# Altium PCB AX7021B.PcbDoc (part 4 of 6) (continued)
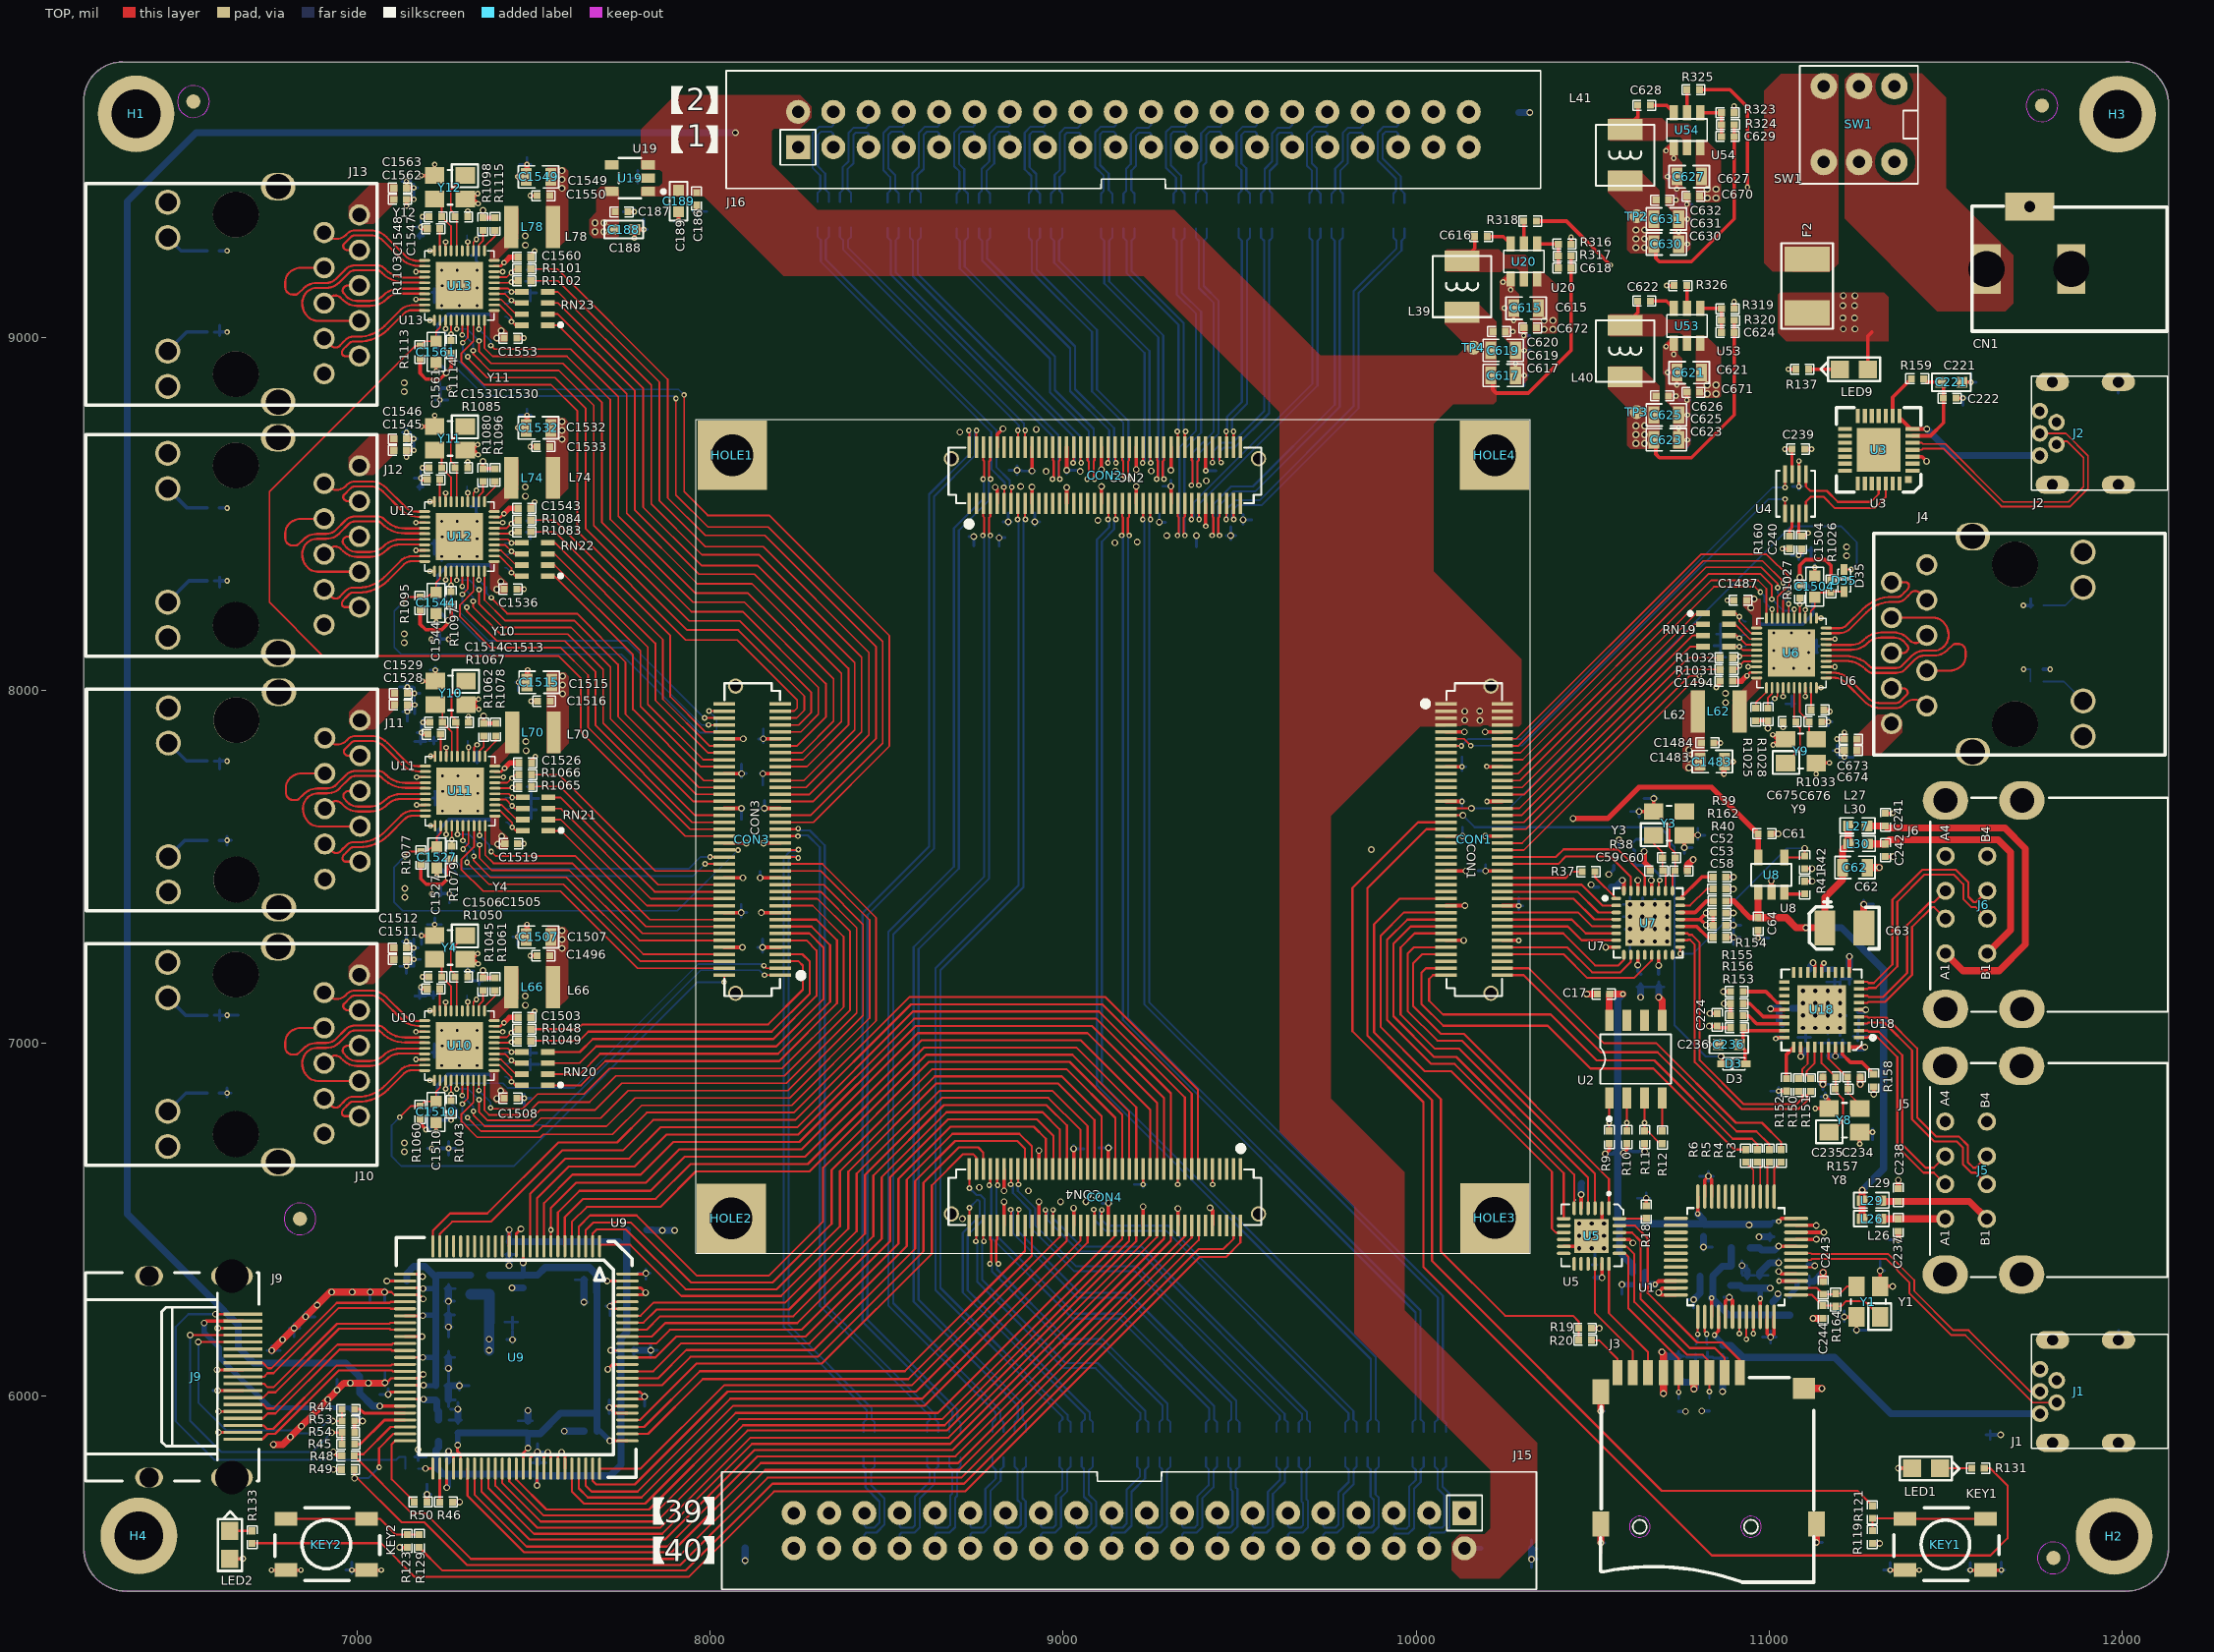
[diagram p0: TOP view]
## Nets (pads, with @x,y where several pads share a name; then routed paths per layer and width w, separated by ;. In a path a pad name is that pad's centre, name@x,y a point inside that pad or via, vN(x,y) a via of type N, cw(c..) or ccw(c..) an arc to the next point about the centre after c; other vN are vias at no path point) (continued)
N20060148: CON4.1
N20060159: CON4.3
N20060167: CON4.11
N20060427: CON2.24
N20060447: CON4.12
N20060632: CON4.5
N20060638: CON4.7
N20060678: CON2.80
N20060724: CON2.79
N20060735: CON3.79
N20060743: CON3.80
N20060756: CON2.3
N20060759: CON2.1
N20060813: CON2.21
N20060821: CON2.23
N20060829: CON2.27
N20060837: CON2.25
N20060845: CON2.33
N20060848: CON2.31
N20060851: CON2.37
N20060854: CON2.35
N20060925: CON2.22
N20060949: CON4.6
N20060952: CON4.8
N20060955: CON2.14
N20060963: CON2.12
N20061029: CON2.55
N20061032: CON2.57
N20065139: C244.2 R164.2 U1.1 Y1.1 | length 276
  TOP w5: C244.2@11152.33,6257.08 11186.73,6257.08 R164.2@11188.36,6255.45 11203.86,6255.45 11218.46,6270.05 11269.49,6270.05 Y1.1@11314.4,6225.14
  TOP w6: U1.1@11076.39,6287.58 11121.83,6287.58 C244.2@11152.33,6257.08
N20065143: C243.2 R164.1 U1.2 Y1.3 | length 187.6
  TOP w5: C243.2@11152.75,6289.62 11186.53,6289.62 R164.1@11188.36,6291.45 11201,6291.45 11221.31,6311.76 Y1.3@11247.48,6311.76
  TOP w6: U1.2@11076.39,6307.27 11135.1,6307.27 C243.2@11152.75,6289.62
N20065179: R3.2 U1.13 | length 105.4
  TOP w5: U1.13@11014.31,6566.2 11014.31,6643.29 R3.2@11034.35,6663.33
N20065181: R6.2 U1.16 | length 106.2
  TOP w5: R6.2@10933.31,6663.33 10955.25,6641.39 U1.16@10955.25,6566.2
N20065207: R5.2 U1.15 | length 100.6
  TOP w5: R5.2@10966.46,6663.33 10974.94,6654.85 U1.15@10974.94,6566.2
N20065314: R12.2 U2.4 | length 94
  TOP w6: U2.4@10697.04,6845.85 10697.04,6752.21 R12.2@10697.28,6751.97
N20065556: R4.2 U1.14 | length 99.5
  TOP w5: U1.14@10994.62,6566.2 10994.62,6657.56 R4.2@11000.39,6663.33
N20065715: C3.2 U1.38 | length 81.6
  TOP w6: U1.38@10817.46,6225.5 10817.46,6182.43 v1(10823.04,6176.85)
  BOTTOM w6: v1(10823.04,6176.85) 10823.04,6149.06 C3.2@10825.04,6147.06
N20065717: C4.2 U1.37 | length 81
  TOP w6: v1(10797.77,6176.12) U1.37@10797.77,6225.5
  BOTTOM w6: C4.2@10791.52,6147.06 10797.77,6153.31 v1(10797.77,6176.12)
N20065767: J1.3 U1.7 | length 871.1
  TOP w5: U1.7@11076.39,6405.69 11117.59,6405.69 11119.43,6403.85 11336.6,6403.85 11411.04,6329.41 11411.04,6298.73 11522.14,6187.63 11565.39,6187.63 11738.88,6014.14 J1.3@11767.3,6014.14
N20065769: J1.2 U1.6 | length 926.4
  TOP w5: U1.6@11076.39,6386.01 11117.59,6386.01 11121.43,6389.85 11330.8,6389.85 11397.04,6323.61 11397.04,6292.93 11516.34,6173.63 11555.81,6173.63 11746.8,5982.64 J1.2@11814.54,5982.64
N20065771: C5.1 R7.2 U1.34 | length 125.1
  TOP w10: v1(10677.04,6316.85) 10687.14,6326.95 U1.34@10735.69,6326.95
  BOTTOM w20: R7.2@10649.04,6351.07 C5.1@10649.04,6316.85 v1(10677.04,6316.85)
N20065803: R8.2 U1.5 | length 76.1
  TOP w6: U1.5@11076.39,6366.32 11125.51,6366.32 v2(11129.04,6369.85)
  BOTTOM w10: R8.2@11109.16,6375.01 11123.88,6375.01 v2(11129.04,6369.85)
N20114690: R39.2 U7.24 | length 118.6
  TOP w10: U7.24@10747.97,7410.23 10808.94,7471.2 R39.2@10841.28,7471.2
N20114742: R41.2 U8.3 | length 59.2
  TOP w10: U8.3@11043.58,7428.26 11048.52,7423.32 R41.2@11100.69,7423.32
N20114878: C60.2 R38.1 U7.25 Y3.3 | length 254.8
  TOP w5: C60.2@10733.04,7488.85 10733.86,7489.67 R38.1@10733.86,7525.66 10733.86,7539.86 10718.09,7555.63 10718.09,7620.39 10754.44,7656.74 Y3.3@10759.67,7656.74
  TOP w6: U7.25@10726.32,7431.88 10726.32,7482.13 C60.2@10733.04,7488.85
N20114880: C59.2 R38.2 U7.26 Y3.1 | length 171.8
  TOP w5: Y3.1@10673.05,7589.82 10673.05,7566.3 10697.86,7541.49 R38.2@10697.86,7525.66 10697.86,7490.03 C59.2@10699.04,7488.85
  TOP w6: C59.2@10699.04,7488.85 10706.63,7481.26 U7.26@10706.63,7431.88
N20115212: C58.2 U7.20 | length 106.1
  TOP w10: U7.20@10747.97,7331.49 10794.66,7331.49 10825.62,7300.53 C58.2@10841.28,7300.53
N20115232: C57.1 D2.2 R36.1 U7.27 | length 233.8
  TOP w6: U7.27@10686.95,7431.88 10686.95,7458.76 v1(10690.04,7461.85)
  BOTTOM w8: D2.2@10646.84,7577.98 10623.1,7577.98 10610.59,7565.47 R36.1@10610.59,7554.47 10619.76,7545.3 C57.1@10619.76,7504.05 10661.66,7504.05 10690.04,7475.67 v1(10690.04,7461.85)
N20115313: R37.2 U7.1 | length 101.2
  TOP w6: R37.2@10506.46,7486.42 10506.46,7470.64 U7.1@10566.87,7410.23
N20218751: C76.2 R43.1 U9.44 | length 148
  TOP w8: U9.44@7135.84,5992.35 v2(7188.19,5992.35)
  BOTTOM w20: v2(7188.19,5992.35) 7190.08,5990.46 C76.2@7222.8,5990.46 7225.8,5987.46 7225.8,5962.46 7230.66,5957.6 R43.1@7230.66,5933.46
N20218864: R51.1 U9.27 | length 72.3
  TOP w8: v2(7084.3,6326.99) U9.27@7135.84,6326.99
  BOTTOM w10: v2(7084.3,6326.99) 7084.89,6327.58 R51.1@7104.8,6327.58
N20218993: R45.1 U9.47 | length 171.2
  TOP w8: R45.1@6993.06,5864.59 7009.08,5864.59 7077.78,5933.29 U9.47@7135.84,5933.29
N20218995: R44.1 U9.46 | length 147.1
  TOP w8: R44.1@6993.06,5963.47 7008.86,5963.47 7019.35,5952.98 U9.46@7135.84,5952.98
N20218997: R47.1 U9.51 | length 42
  TOP w8: v2(7193.7,5795.85) 7214.23,5795.85 U9.51@7214.58,5795.5
  BOTTOM w6: R47.1@7172.8,5795.6 7193.45,5795.6 v2(7193.7,5795.85)
N20218999: R46.1 U9.52 | length 94.7
  TOP w8: R46.1@7234.22,5700.87 7234.27,5700.92 U9.52@7234.27,5795.5
N20219151: R50.1 U9.50 | length 231.8
  TOP w6: U9.50@7135.84,5874.24 7107.43,5874.24 7098.04,5864.85 7098.04,5765.33 R50.1@7162.13,5701.24
N20246377: KEY2.3 KEY2.4 R123.1 R129.1 | length 395.9
  TOP w6: KEY2.4@6798.69,5653.71 KEY2.3@7027.03,5653.71 7064.47,5653.71 7109.78,5608.4 R123.1@7142.08,5608.4 R129.1@7175.83,5608.4
N20246467: LED2.2 R133.2 | length 63.5
  TOP w6: LED2.2@6639.37,5619.12 6639.64,5619.39 R133.2@6702.8,5619.39
N20257827: LED1.2 R131.2 | length 89.7
  TOP w6: LED1.2@11484.01,5796.58 11484.09,5796.66 R131.2@11573.69,5796.66
N20257996: KEY1.3 KEY1.4 R119.1 R121.1 | length 356
  TOP w6: R119.1@11292.62,5619.44 R121.1@11292.62,5654.32 11384.55,5654.32 KEY1.4@11385.16,5653.71 KEY1.3@11613.5,5653.71
N20328280: J2.1 U3.7 U3.8 | length 446.5
  TOP w10: U3.8@11369.49,8777.11 11369.49,8772.4 11401.39,8740.5 U3.7@11406.1,8740.5 v2(11446.69,8740.5)
  BOTTOM w20: v2(11446.69,8740.5) 11522.2,8664.99 J2.1@11766.8,8664.99
N20328299: J2.2 U3.5 | length 752.8
  TOP w5: U3.5@11406.1,8701.13 11432.48,8701.13 11435.73,8697.88 11499.12,8697.88 11663.12,8533.88 11847.17,8533.88 11890.42,8577.13 11890.42,8659.5 11844.69,8705.23 11822.79,8705.23 J2.2@11814.04,8696.48
N20328339: J2.3 U3.4 | length 843.6
  TOP w5: U3.4@11406.1,8681.44 11432.49,8681.44 11435.93,8684.88 11493.73,8684.88 11657.73,8520.88 11852.56,8520.88 11903.42,8571.74 11903.42,8664.89 11840.33,8727.98 J2.3@11766.8,8727.98
N20328351: R159.1 U3.9 | length 127.2
  TOP w10: U3.9@11349.8,8777.11 11349.8,8829.83 R159.1@11402.44,8882.47
N20328357: C221.1 C222.1 R159.2 U3.6 | length 272.8
  TOP w10: U3.6@11406.1,8720.81 11457,8720.81 11493.62,8757.43 C222.1@11493.62,8827.76 11493.62,8865.27 C221.1@11486.04,8872.85 11448.06,8872.85 R159.2@11438.44,8882.47
N20328387: U3.26 U4.8 | length 329.8
  TOP w6: U4.8@11104.22,8501.24 11104.22,8534.32 11118.03,8548.13 11154.18,8548.13 11186.46,8515.85 11299.04,8515.85 11330.12,8546.93 U3.26@11330.12,8585.77
N20328389: U3.25 U4.1 | length 298.2
  TOP w6: U4.1@11104.22,8612.46 11104.22,8577.18 11116.39,8565.01 11163.58,8565.01 11194.74,8533.85 11288.04,8533.85 11310.43,8556.24 U3.25@11310.43,8585.77
N20365659: C236.1 D3.2 R153.1 U18.26 | length 232.5
  TOP w10: D3.2@10931.38,6942.28 10931.38,6981.41 C236.1@10915.56,6997.23 10926.56,7008.23 R153.1@10926.56,7044.25 10934.52,7036.29 U18.26@11042.73,7036.29
N20365863: R152.2 U18.28 | length 97.4
  TOP w10: R152.2@11049.05,6900.75 11049.05,6968.79 U18.28@11069.8,6989.54
N20365866: R154.2 U18.22 | length 129.3
  TOP w10: R154.2@10926.56,7146.81 10990.6,7146.81 11022.37,7115.04 U18.22@11042.73,7115.04
N20365873: R155.2 U18.24 | length 131.5
  TOP w10: R155.2@10926.56,7112.7 10945.93,7112.7 10982.97,7075.66 U18.24@11042.73,7075.66
N20365876: R156.2 U18.25 | length 125.4
  TOP w10: R156.2@10926.56,7078.22 10942.34,7078.22 10964.58,7055.98 U18.25@11042.73,7055.98
N20366975: C230.1 C231.1 U18.34 | length 66.9
  TOP w10: v2(11187.91,6963.76) U18.34@11187.91,6989.54
  BOTTOM w15: C231.1@11168.16,6965.2 11186.47,6965.2 v2(11187.91,6963.76) 11189.35,6965.2 C230.1@11208.04,6965.2
N20366989: C232.1 C233.1 U18.14 | length 80.9
  TOP w10: U18.14@11148.54,7201.16 11148.54,7220.86 v1(11154.92,7227.24)
  BOTTOM w15: v1(11154.92,7227.24) 11152.16,7224.48 C232.1@11152.16,7209.63 11152.32,7209.79 C233.1@11185.56,7209.79
N20367850: C234.2 R157.1 U18.33 Y8.3 | length 211.5
  TOP w5: C234.2@11222.04,6904.85 11223.12,6903.77 R157.1@11223.12,6870.92 11223.12,6859.98 11256.29,6826.81 Y8.3@11256.29,6815.65
  TOP w6: U18.33@11168.23,6989.54 11168.23,6956.66 11220.04,6904.85 C234.2@11222.04,6904.85
N20367872: C235.2 R157.2 U18.32 Y8.1 | length 287.7
  TOP w5: Y8.1@11169.67,6748.73 11177.62,6748.73 11209.19,6780.3 11209.19,6843.01 11187.12,6865.08 R157.2@11187.12,6870.92 11188.04,6871.84 C235.2@11188.04,6904.85
  TOP w6: U18.32@11148.54,6989.54 11148.54,6944.35 C235.2@11188.04,6904.85
N20369652: R158.2 U18.35 | length 132.6
  TOP w10: U18.35@11207.6,6989.54 11207.6,6969.01 11230.37,6946.24 11263.32,6946.24 R158.2@11296.49,6913.07
N20375664: R163.1 U18.27 | length 44.7
  TOP w10: v1(11018.84,7013.59) 11021.86,7016.61 U18.27@11042.73,7016.61
  BOTTOM w15: v1(11018.84,7013.59) 11021,7015.75 R163.1@11037.5,7015.75
N20563050: R318.2 U20.5 | length 65
  TOP w10: R318.2@10304.91,9329.11 10304.91,9264.33 U20.5@10305.07,9264.17
N20563056: C616.1 U20.6 | length 74.7
  TOP w10: C616.1@10201.71,9285.23 10246.61,9285.23 U20.6@10267.67,9264.17
N20563058: C616.2 L39.1 U20.2 | length 83.5
  TOP w10: L39.1@10130.13,9216.47 10165.71,9252.05 C616.2@10165.71,9285.23
N20563082: C618.1 R316.1 R317.2 U20.4 | length 127.8
  TOP w10: U20.4@10342.47,9264.17 10402.43,9264.17 R316.1@10402.75,9263.85 R317.2@10402.75,9230.1 C618.1@10402.75,9196.45
N20564763: R325.2 U54.5 | length 65
  TOP w10: R325.2@10766.95,9701.32 10766.95,9636.54 U54.5@10767.11,9636.38
N20564775: C628.1 U54.6 | length 74.7
  TOP w10: C628.1@10663.75,9657.44 10708.65,9657.44 U54.6@10729.71,9636.38
N20564779: C628.2 L41.1 U54.2 | length 83.5
  TOP w10: L41.1@10592.17,9588.68 10627.75,9624.26 C628.2@10627.75,9657.44
N20564823: C629.1 R323.1 R324.2 U54.4 | length 127.8
  TOP w10: U54.4@10804.51,9636.38 10864.47,9636.38 R323.1@10864.79,9636.06 R324.2@10864.79,9602.31 C629.1@10864.79,9568.66
N20565792: R326.2 U53.5 | length 65
  TOP w10: R326.2@10766.95,9146.57 10766.95,9081.79 U53.5@10767.11,9081.63
N20565796: C622.1 U53.6 | length 74.7
  TOP w10: C622.1@10663.75,9102.69 10708.65,9102.69 U53.6@10729.71,9081.63
N20565808: C622.2 L40.1 U53.2 | length 83.5
  TOP w10: L40.1@10592.17,9033.93 10627.75,9069.51 C622.2@10627.75,9102.69
N20565842: C624.1 R319.1 R320.2 U53.4 | length 127.8
  TOP w10: U53.4@10804.51,9081.63 10864.47,9081.63 R319.1@10864.79,9081.31 R320.2@10864.79,9047.56 C624.1@10864.79,9013.91
N20568243: C673.1 C674.1 J4.P1
N20568336: C1504.1 D35.2 R1026.1 U6.12 | length 153.8
  TOP w5: U6.12@11118.25,8204.39 11118.25,8224.94 11129.13,8235.82 C1504.1@11129.13,8263.82 11142.25,8276.94 R1026.1@11174.64,8276.94 11177.19,8279.49 D35.2@11212.48,8279.49
N20568727: C675.1 U6.36 Y9.1 | length 237
  TOP w5: Y9.1@11046.65,7794.47 11087.66,7835.48 11087.66,7892.02 11075.68,7904 C675.1@11075.68,7911.24 11071.01,7915.91 U6.36@11071.01,8007.54
N20568740: C676.1 U6.37 Y9.3 | length 165.4
  TOP w5: U6.37@11086.76,8007.54 11086.76,7937.85 C676.1@11113.37,7911.24 11113.37,7881.29 Y9.3@11133.27,7861.39
N20569120: J4.13 R1034.1 | length 134.1
  BOTTOM w5: R1034.1@11776.54,8240.59 11838.38,8240.59 J4.13@11889.46,8291.67
N20569150: J4.12 R1035.1 | length 135.7
  BOTTOM w5: R1035.1@11776.54,8024.96 11834.52,8024.96 J4.12@11889.46,7970.02
N20571427: C1505.1 U10.36 Y4.1 | length 237
  TOP w5: U10.36@7282.08,7092.15 7282.08,7183.78 C1505.1@7277.41,7188.45 7277.41,7195.69 7265.43,7207.67 7265.43,7264.21 Y4.1@7306.44,7305.22
N20571435: C1506.1 U10.37 Y4.3 | length 165.4
  TOP w5: Y4.3@7219.82,7238.3 7239.72,7218.4 C1506.1@7239.72,7188.45 7266.33,7161.84 U10.37@7266.33,7092.15
N20571809: J10.13 R1051.1 | length 132.2
  BOTTOM w10: J10.13@6463.63,6808.02 6514.96,6859.35 R1051.1@6574.55,6859.35
N20572137: C1511.1 C1512.1 J10.P1
N20573187: J10.12 R1052.1 | length 131.6
  BOTTOM w10: J10.12@6463.63,7129.67 6513.61,7079.69 R1052.1@6574.55,7079.69
N20576849: C1513.1 U11.36 Y10.1 | length 237
  TOP w5: U11.36@7284.07,7813.16 7284.07,7904.79 C1513.1@7279.4,7909.46 7279.4,7916.7 7267.42,7928.68 7267.42,7985.22 Y10.1@7308.43,8026.23
N20576857: C1514.1 U11.37 Y10.3 | length 165.4
  TOP w5: Y10.3@7221.81,7959.31 7241.71,7939.41 C1514.1@7241.71,7909.46 7268.32,7882.85 U11.37@7268.32,7813.16
N20577227: J11.13 R1068.1 | length 128
  BOTTOM w10: J11.13@6465.62,7529.03 6511.73,7575.14 R1068.1@6574.55,7575.14
N20577515: C1528.1 C1529.1 J11.P1
N20577644: J11.12 R1069.1 | length 130
  BOTTOM w10: J11.12@6465.62,7850.68 6516.5,7799.8 R1069.1@6574.55,7799.8
N20580897: C1530.1 U12.36 Y11.1 | length 237
  TOP w5: U12.36@7282.07,8534.16 7282.07,8625.79 C1530.1@7277.4,8630.46 7277.4,8637.7 7265.42,8649.68 7265.42,8706.22 Y11.1@7306.43,8747.23
N20580905: C1531.1 U12.37 Y11.3 | length 165.4
  TOP w5: Y11.3@7219.81,8680.31 7239.71,8660.41 C1531.1@7239.71,8630.46 7266.32,8603.85 U12.37@7266.32,8534.16
N20581275: J12.13 R1086.1 | length 135.9
  BOTTOM w10: J12.13@6463.62,8250.03 6523.82,8310.23 R1086.1@6574.55,8310.23
N20581593: C1545.1 C1546.1 J12.P1
N20581722: J12.12 R1087.1 | length 133.8
  BOTTOM w10: J12.12@6463.62,8571.68 6518.85,8516.45 R1087.1@6574.55,8516.45
N20585514: C1547.1 U13.36 Y12.1 | length 237
  TOP w5: U13.36@7282.07,9245.16 7282.07,9336.79 C1547.1@7277.4,9341.46 7277.4,9348.7 7265.42,9360.68 7265.42,9417.22 Y12.1@7306.43,9458.23
N20585516: C1548.1 U13.37 Y12.3 | length 165.4
  TOP w5: Y12.3@7219.81,9391.31 7239.71,9371.41 C1548.1@7239.71,9341.46 7266.32,9314.85 U13.37@7266.32,9245.16
N20585908: J13.13 R1104.1 | length 133.3
  BOTTOM w10: J13.13@6463.62,8961.03 6517.61,9015.02 R1104.1@6574.55,9015.02
N20586206: C1562.1 C1563.1 J13.P1
N20586345: J13.12 R1105.1 | length 126.6
  BOTTOM w10: J13.12@6463.62,9282.68 6501.34,9244.96 R1105.1@6574.55,9244.96
N203282594: R160.2 U4.6 | length 67
  TOP w8: R160.2@11057.39,8437.3 11057.39,8453.16 11064.85,8460.62 U4.6@11064.85,8501.24
OTG_CLK: CON1.52 R37.1 | length 233.6
  TOP w6: CON1.52@10244.12,7468.95 10424.19,7468.95 10441.66,7486.42 R37.1@10470.46,7486.42
OTG_D_N: R150.1 U7.19 | length 772.6
  TOP w6: U7.19@10747.97,7311.8 10768.67,7311.8 10773.01,7307.46 10781.43,7307.46 10803.3,7285.59 10803.3,6952.51 10927.77,6828.04 11077.74,6828.04 11094.29,6844.59 11094.29,6853.09 R150.1@11083.4,6863.98
OTG_D_P: R151.1 U7.18 | length 793.8
  TOP w6: U7.18@10747.97,7292.12 10768.67,7292.12 10770.01,7293.46 10775.63,7293.46 10789.3,7279.79 10789.3,6946.71 10921.97,6814.04 11083.54,6814.04 11108.29,6838.79 11108.29,6854.92 R151.1@11117.35,6863.98
OTG_DATA0: CON1.56 U7.3 | length 347.1
  TOP w6: CON1.56@10244.12,7429.58 10457.31,7429.58 10516.03,7370.86 U7.3@10566.87,7370.86
OTG_DATA1: CON1.58 U7.4 | length 347.1
  TOP w6: CON1.58@10244.12,7409.9 10446.12,7409.9 10504.85,7351.17 U7.4@10566.87,7351.17
OTG_DATA2: CON1.62 U7.5 | length 338.9
  TOP w6: CON1.62@10244.12,7370.53 10459.36,7370.53 10498.4,7331.49 U7.5@10566.87,7331.49
OTG_DATA3: CON1.64 U7.6 | length 338.9
  TOP w6: CON1.64@10244.12,7350.84 10441.18,7350.84 10480.22,7311.8 U7.6@10566.87,7311.8
OTG_DATA4: CON1.66 U7.7 | length 338.9
  TOP w6: CON1.66@10244.12,7331.16 10429.86,7331.16 10468.9,7292.12 U7.7@10566.87,7292.12
OTG_DATA5: CON1.68 U7.9 | length 402.8
  TOP w6: CON1.68@10244.12,7311.47 10416.55,7311.47 10507.17,7220.85 10573.03,7220.85 10588.52,7236.34 U7.9@10588.52,7250.78
OTG_DATA6: CON1.72 U7.10 | length 425.6
  TOP w6: CON1.72@10244.12,7272.1 10427.92,7272.1 10498.7,7201.32 10578.7,7201.32 10608.21,7230.83 U7.10@10608.21,7250.78
OTG_DATA7: CON1.74 U7.13 | length 487.3
  TOP w6: CON1.74@10244.12,7252.42 10417.6,7252.42 10484.7,7185.32 10617.51,7185.32 10667.26,7235.07 U7.13@10667.26,7250.78
OTG_DIR: CON1.48 U7.31 | length 436.4
  TOP w6: CON1.48@10244.12,7508.32 10402.7,7508.32 10423.78,7529.4 10550.29,7529.4 10608.21,7471.48 U7.31@10608.21,7431.88
OTG_ID: R162.1 U7.23 | length 112.7
  TOP w6: U7.23@10747.97,7390.54 10775.96,7390.54 10822.74,7437.32 R162.1@10841.28,7437.32
OTG_NXT: CON1.54 U7.2 | length 347.1
  TOP w6: CON1.54@10244.12,7449.27 10468.75,7449.27 10527.48,7390.54 U7.2@10566.87,7390.54
OTG_RESET: CON1.33 D2.1 D3.1 | length 1389.3
  TOP w5: v2(10863.76,6962.88) 10868.38,6958.26 D3.1@10868.38,6942.28
  TOP w6: CON1.33@10084.68,7646.12 v2(10132.34,7646.12)
  BOTTOM w6: v2(10132.34,7646.12) 10166.32,7612.14 10691,7612.14 10709.84,7593.3 D2.1@10709.84,7577.98 10731.97,7555.85 10731.97,7051.04 10820.13,6962.88 v2(10863.76,6962.88)
OTG_STP: CON1.46 U7.29 | length 485.3
  TOP w6: CON1.46@10244.12,7528.01 10396.23,7528.01 10417.89,7549.67 10570.9,7549.67 10647.58,7472.99 U7.29@10647.58,7431.88
PHY1_ADVDDL: C1485.1 C1486.1 C1488.1 L64.2 U6.3 U6.8 U6.38 | length 74.4
  TOP w7.48: v1(11102.51,7982.76) U6.38@11102.5,8007.54 ; U6.3@11161.56,8066.59 v1(11186.34,8066.6) ; U6.8@11161.56,8145.33 v1(11186.34,8145.34)
PHY1_AVDD33: C1490.1 C1491.1 L63.2 U6.11 U6.40 | length 25.8
  TOP w7.5: U6.40@11134,8007.54 v1(11146.9,8007.54) ; U6.11@11134,8204.39 v1(11146.9,8204.39)
PHY1_DVDDL: C1483.1 C1484.1 C1487.1 L62.2 L64.1 U6.21
  other v3: 10772.69,7780.73 10772.69,7805.73 10772.69,7830.73 10948.18,8233.92 10957.08,8259.14
PHY1_ENB_LDO: R1028.1 U6.32 | length 62.4
  TOP w5: R1028.1@10996.53,7949.9 10996.53,7979.88 11008.02,7991.37 U6.32@11008.02,8007.54
PHY1_ETH_RXD2: RN19.7 U6.23 | length 96
  TOP w5: RN19.7@10885.96,8186.94 10903.26,8186.94 10944.87,8145.33 U6.23@10964.71,8145.33
PHY1_INT_N: R1025.2 U6.31 | length 70
  TOP w5: R1025.2@10962.4,7949.9 10962.4,7965.43 10992.27,7995.3 U6.31@10992.27,8007.54
PHY1_IODVDD: C1492.1 C1493.1 L65.2 R1026.2 R1027.2 R1038.2 R1039.2 R1040.2 U6.28 | length 511.2
  TOP w5: v1(10940.6,8066.59) U6.28@10964.71,8066.59
  TOP w10: R1027.2@11086.72,8297.96 v3(11086.72,8319.47) 11086.72,8354.16 11102.77,8370.21 11158.89,8370.21 11174.64,8354.46 R1026.2@11174.64,8312.94
  BOTTOM w10: R1040.2@10969.74,8194.4 10977.22,8186.92 11095.11,8186.92 11123.82,8215.63 11123.82,8282.37 v3(11086.72,8319.47)
PHY1_LED1: J4.14 R1030.1 U6.33 | length 1110.1
  TOP w5: v1(11016.14,7976.73) 11023.76,7984.35 U6.33@11023.76,8007.54
  SVCC w5: v1(11016.14,7976.73) 11016.14,7992.23 11064.07,8040.16 11129.44,8040.16 11241.47,8152.19 11369.22,8152.19 11421.4,8204.37 11532.52,8204.37 11591.45,8263.3 11761.09,8263.3 J4.14@11889.46,8391.67
  BOTTOM w5: R1030.1@11007.33,7958.51 11007.33,7967.92 v1(11016.14,7976.73)
PHY1_LED2: R1029.1 R1035.2 U6.34 | length 847.4
  TOP w5: v1(11039.51,7982.48) U6.34@11039.51,8007.54
  SVCC w5: v1(11039.51,7982.48) 11059.99,8002.96 11112.91,8002.96 11128.85,7987.02 11162.9,7987.02 11231.02,8055.14 11374.61,8055.14 11429.16,8109.69 11670.96,8109.69 v1(11720.98,8059.67)
  BOTTOM w5: v1(11720.98,8059.67) R1029.1@11740.54,8059.67 R1035.2@11740.54,8024.96
PHY1_MDC: CON1.42 U6.13 | length 1180.5
  TOP w5: CON1.42@10244.12,7567.38 10300.36,7567.38 10774.03,8041.05 v1(10802.17,8041.05) ; U6.13@11102.5,8204.39 v1(11102.5,8228.68)
  SVCC w5: v1(10802.17,8041.05) 10802.17,8061.09 10910.67,8169.59 10939.66,8169.59 10955.45,8185.38 11080.06,8185.38 11102.5,8207.82 v1(11102.5,8228.68)
PHY1_MDI0_N: J4.P3 U6.2 | length 327.9
  TOP w6: U6.2@11161.56,8050.85 11162.39,8050.02 11181.25,8050.02 cw(c11181.25,7984.81) 11227.36,8030.92 11279.45,7978.83 ccw(c11315.71,8015.09) 11315.71,7963.81 11358.45,7963.81 ccw(c11358.45,7982.42) 11371.61,7969.26 11389.93,7987.58 ccw(c11383.89,7993.62) 11392.43,7993.62 ; J4.P3@11346.55,8005.84 11379.76,8005.84 cw(c11379.75,7992.83) 11388.95,8002.03 cw(c11380.57,7993.64) 11392.43,7993.64
PHY1_MDI0_P: J4.P2 U6.1 | length 328.8
  TOP w6: U6.1@11161.56,8035.1 11162.48,8036.02 11181.25,8036.02 cw(c11181.25,7984.81) 11217.46,8021.02 11269.55,7968.93 ccw(c11315.71,8015.09) 11315.7,7949.81 11358.45,7949.81 ccw(c11358.45,7982.43) 11381.51,7959.36 11384.61,7962.46 cw(c11412.27,7934.8) 11439.93,7962.46 J4.P2@11446.55,7955.84
PHY1_MDI1_N: J4.P7 U6.5 | length 591
  TOP w6: U6.5@11161.56,8098.09 11162.42,8097.23 11217.55,8097.23 cw(c11217.55,8005.32) 11282.54,8070.31 11286.2,8066.65 ccw(c11294.55,8075) 11294.55,8063.19 11359.6,8063.19 ccw(c11359.61,8086.9) 11376.37,8070.13 11403.73,8097.5 cw(c11439.94,8061.29) 11439.94,8112.5 11466.89,8112.5 ccw(c11466.9,8152.89) 11494.56,8123.46 ccw(c11466.77,8152.78) 11495.44,8124.34 ccw(c11464.3,8155.48) 11508.35,8155.48 11508.35,8155.92 ccw(c11453.68,8155.92) 11492.34,8194.57 ccw(c11465.13,8167.36) 11465.13,8205.84 J4.P7@11346.55,8205.84
PHY1_MDI1_P: J4.P4 U6.4 | length 591.2
  TOP w6: U6.4@11161.56,8082.34 11162.45,8083.23 11217.55,8083.23 cw(c11217.55,8005.32) 11272.64,8060.41 11276.3,8056.75 ccw(c11294.55,8075) 11294.54,8049.19 11359.6,8049.19 ccw(c11359.61,8086.9) 11386.27,8060.23 11413.63,8087.6 cw(c11439.94,8061.29) 11439.94,8098.5 11466.9,8098.5 ccw(c11466.9,8152.89) 11504.15,8113.26 11520.83,8128.94 cw(c11527.16,8122.61) 11527.16,8131.56 11535.32,8131.56 cw(c11535.32,8110.34) 11550.32,8125.35 11550.89,8124.78 cw(c11537.32,8111.21) 11556.51,8111.21 11556.51,8096.05 cw(c11519.84,8096.05) 11545.77,8070.12 cw(c11511.3,8104.59) 11511.3,8055.84 J4.P4@11446.55,8055.84
PHY1_MDI2_N: J4.P6 U6.7 | length 311.4
  TOP w6: U6.7@11161.56,8129.59 11162.41,8128.74 11232.58,8128.74 ccw(c11232.58,8179.82) 11268.7,8143.7 cw(c11317.1,8095.3) 11317.1,8163.75 11353.35,8163.75 cw(c11353.35,8108.13) 11392.68,8147.46 11398.97,8141.17 ccw(c11415.42,8157.63) J4.P6@11431.87,8141.18 ; J4.P6@11431.88,8141.17 J4.P6@11446.55,8155.84
PHY1_MDI2_P: J4.P5 U6.6 | length 310.8
  TOP w6: U6.6@11161.56,8113.84 11162.46,8114.74 11232.58,8114.74 ccw(c11232.58,8179.82) 11278.6,8133.8 cw(c11317.1,8095.3) 11317.1,8149.75 11353.35,8149.75 cw(c11353.35,8108.13) 11382.78,8137.56 11391.29,8127.38 cw(c11382.21,8119.78) 11390.58,8111.41 11389.21,8110.05 cw(c11379.06,8120.18) 11379.06,8105.84 J4.P5@11346.55,8105.84
PHY1_MDI3_N: J4.P9 U6.10 | length 336.1
  TOP w6: U6.10@11161.56,8176.83 11162.38,8176.01 11198.74,8176.01 ccw(c11198.74,8206.12) 11220.03,8184.83 11265.72,8230.52 cw(c11348.6,8147.64) 11348.6,8264.85 11364.79,8264.85 ccw(c11364.78,8279.58) 11375.19,8269.16 11383.5,8277.47 11391.98,8286.28 ccw(c11381.02,8296.83) 11396.23,8296.83 ccw(c11387.25,8296.86) 11387.25,8305.84 J4.P9@11346.55,8305.84
PHY1_MDI3_P: J4.P8 U6.9 | length 336.7
  TOP w6: U6.9@11161.56,8161.08 11162.49,8162.01 11198.74,8162.01 ccw(c11198.74,8206.12) 11229.93,8174.93 11275.62,8220.62 cw(c11348.6,8147.64) 11348.59,8250.85 11364.8,8250.85 ccw(c11364.79,8279.58) 11385.09,8259.25 11393.32,8267.49 ; 11393.33,8267.49 ccw(c11379.32,8281.76) 11393.59,8267.75 11402.06,8276.54 cw(c11413.96,8265.08) 11425.64,8276.76 J4.P8@11446.55,8255.84
PHY1_MDIO: CON1.44 R1027.1 U6.14 | length 1285.9
  TOP w5: CON1.44@10244.12,7547.69 10305.19,7547.69 10780.67,8023.17 v1(10814.49,8023.17) ; R1027.1@11086.72,8261.96 11086.72,8243.9 v1(11086.76,8243.86) U6.14@11086.76,8204.39
  SVCC w5: v1(10814.49,8023.17) 10791.62,8023.17 10782.76,8032.03 10782.76,8066.68 10904.51,8188.43 10931.92,8188.43 10948.36,8204.87 11070.84,8204.87 11086.76,8220.79 v1(11086.76,8243.86)
PHY1_REGOUT: L62.1 U6.30
PHY1_RESET: CON1.31 D35.1 | length 1617.3
  TOP w5: D35.1@11212.48,8342.49 v1(11232.32,8342.49)
  TOP w6: CON1.31@10084.68,7665.8 v2(10156.66,7665.8)
  BOTTOM w5: v2(10156.66,7665.8) 10263.15,7665.8 11062.54,8465.19 11202.89,8465.19 11248.29,8419.79 11248.29,8358.46 v1(11232.32,8342.49)
PHY1_RSET: R1033.2 U6.39 | length 62.6
  TOP w6: U6.39@11118.25,8007.54 11118.51,8007.28 11118.51,7945.18 R1033.2@11118.63,7945.06
PHY1_RXC_ADR1: R1031.1 R1041.2 U6.27 | length 99.3
  TOP w5: R1031.1@10896.67,8059.3 10906.3,8059.3 v1(10916.5,8069.5) 10929.34,8082.34 U6.27@10964.71,8082.34
  BOTTOM w5: R1041.2@10898.21,8061.34 10908.34,8061.34 v1(10916.5,8069.5)
PHY1_RXCK: CON1.38 R1031.2 | length 804
  TOP w5: CON1.38@10244.12,7606.75 10311.05,7606.75 10763.6,8059.3 R1031.2@10860.67,8059.3
PHY1_RXCTL: CON1.36 R1032.2 | length 809.7
  TOP w5: CON1.36@10244.12,7626.43 10304.97,7626.43 10771.16,8092.62 R1032.2@10860.67,8092.62
PHY1_RXCTL_ADR2: R1032.1 R1042.2 U6.26 | length 88.4
  TOP w5: R1032.1@10896.67,8092.62 10912.16,8092.62 v1(10915.51,8095.97) 10917.63,8098.09 U6.26@10964.71,8098.09
  BOTTOM w5: R1042.2@10898.21,8093.98 10913.52,8093.98 v1(10915.51,8095.97)
PHY1_RXD0: CON1.34 RN19.4 | length 766.6
  TOP w5: CON1.34@10244.12,7646.12 10298.91,7646.12 10776.74,8123.95 RN19.4@10812.81,8123.95
PHY1_RXD0_RXDLY: R1036.2 R1039.1 RN19.5 U6.25 | length 120.3
  TOP w5: RN19.5@10885.96,8123.95 v1(10915.5,8123.95) 10925.61,8113.84 U6.25@10964.71,8113.84
  BOTTOM w5: R1036.2@10898.21,8126.62 10912.83,8126.62 v1(10915.5,8123.95) 10916.25,8124.7 R1039.1@10934.15,8124.7
PHY1_RXD1: CON1.32 RN19.3 | length 771.5
  TOP w5: CON1.32@10244.12,7665.8 10292.84,7665.8 10782.49,8155.45 RN19.3@10812.81,8155.45
PHY1_RXD1_TXDLY: R1037.2 R1038.1 RN19.6 U6.24 | length 134
  TOP w5: RN19.6@10885.96,8155.45 10908.31,8155.45 v1(10915.77,8147.99) 10934.17,8129.59 U6.24@10964.71,8129.59
  BOTTOM w5: R1037.2@10898.21,8159.26 10904.5,8159.26 v1(10915.77,8147.99) 10925.3,8157.52 R1038.1@10934.15,8157.52
PHY1_RXD2: CON1.28 RN19.2 | length 768.2
  TOP w5: CON1.28@10244.12,7705.17 10306.45,7705.17 10788.22,8186.94 RN19.2@10812.81,8186.94
PHY1_RXD3: CON1.26 RN19.1 | length 773.1
  TOP w5: CON1.26@10244.12,7724.86 10300.39,7724.86 10793.97,8218.44 RN19.1@10812.81,8218.44
PHY1_RXD3_ADR0: R1040.1 RN19.8 U6.22 | length 133.9
  TOP w5: RN19.8@10885.96,8218.44 10905.6,8218.44 v1(10915.64,8208.4) 10915.64,8195.55 10950.11,8161.08 U6.22@10964.71,8161.08
  BOTTOM w5: v1(10915.64,8208.4) 10929.64,8194.4 R1040.1@10933.74,8194.4
PHY1_TXCK: CON1.22 U6.20 | length 1068.4
  TOP w5: CON1.22@10244.12,7764.23 10288.25,7764.23 10835.77,8311.75 10968.46,8311.75 10992.27,8287.94 U6.20@10992.27,8204.39
PHY1_TXCTL: CON1.24 U6.19 | length 1052.2
  TOP w5: CON1.24@10244.12,7744.54 10294.32,7744.54 10843.14,8293.36 10960.22,8293.36 v1(10975.04,8278.54) ; U6.19@11008.02,8204.39 v1(11008.02,8229.38)
  BOTTOM w5: v1(10975.04,8278.54) 10986.97,8266.61 10986.97,8250.43 v1(11008.02,8229.38)
PHY1_TXD0: CON1.12 U6.18 | length 1187.4
  TOP w5: CON1.12@10244.12,7862.65 10283.65,7862.65 10806.31,8385.31 10992.97,8385.31 11057.98,8320.3 11057.98,8298.8 11023.76,8264.58 U6.18@11023.76,8204.39
PHY1_TXD1: CON1.14 U6.17 | length 1154.8
  TOP w5: CON1.14@10244.12,7842.97 10289.73,7842.97 10813.68,8366.92 10981.03,8366.92 11039.85,8308.1 11039.85,8304.78 v1(11039.89,8304.74) ; U6.17@11039.51,8204.39 11039.51,8257.72 v1(11056.51,8274.72)
  BOTTOM w5: v1(11039.89,8304.74) 11056.51,8288.12 v1(11056.51,8274.72)
PHY1_TXD2: CON1.16 U6.16 | length 1127.5
  TOP w5: CON1.16@10244.12,7823.28 10295.8,7823.28 10821.05,8348.53 10977.83,8348.53 11019.26,8307.1 11024.27,8302.1 v1(11024.27,8290.69) ; U6.16@11055.26,8204.39 v1(11055.26,8245.01)
  BOTTOM w5: v1(11024.27,8290.69) 11024.27,8276 v1(11055.26,8245.01)
PHY1_TXD3: CON1.18 U6.15 | length 1138.1
  TOP w5: CON1.18@10244.12,7803.6 10301.86,7803.6 10828.4,8330.14 10974.67,8330.14 11007.77,8297.04 v1(11007.77,8258.19) ; U6.15@11071.01,8204.39 v1(11071.01,8229.47)
  BOTTOM w5: v1(11007.77,8258.19) 11040.86,8225.1 11066.64,8225.1 v1(11071.01,8229.47)
PHY2_ADVDDL: C1495.1 C1497.1 C1509.1 L68.2 U10.3 U10.8 U10.38 | length 74.4
  TOP w7.48: v1(7166.75,6954.35) U10.8@7191.53,6954.36 ; v1(7166.75,7033.09) U10.3@7191.53,7033.1 ; U10.38@7250.59,7092.15 v1(7250.58,7116.93)
PHY2_AVDD33: C1499.1 C1500.1 L67.2 U10.11 U10.40 | length 25.8
  TOP w7.5: v1(7206.19,6895.3) U10.11@7219.09,6895.3 ; v1(7206.19,7092.15) U10.40@7219.09,7092.15
PHY2_DVDDL: C1496.1 C1507.1 C1508.1 L66.2 L68.1 U10.21
  other v3: 7396.19,6843.69 7407,6865.54 7580.4,7268.96 7580.4,7293.96 7580.4,7318.96
PHY2_ENB_LDO: R1045.1 U10.32 | length 62.4
  TOP w5: U10.32@7345.07,7092.15 7345.07,7108.32 7356.56,7119.81 R1045.1@7356.56,7149.79
PHY2_ETH_RXD2: RN20.7 U10.23 | length 96
  TOP w5: U10.23@7388.38,6954.36 7408.22,6954.36 7449.83,6912.75 RN20.7@7467.13,6912.75
PHY2_INT_N: R1061.2 U10.31 | length 70
  TOP w5: U10.31@7360.82,7092.15 7360.82,7104.39 7390.69,7134.26 R1061.2@7390.69,7149.79

## Text inside footprints (layer, text, board x,y; h text height)
U3: PIN_NUMBER "23" at 11251.06,8585.77 h25 r180; PIN_NUMBER "1" at 11396.1,8622.38 h25 r180; PIN_NUMBER "27" at 11329.8,8585.77 h25 r180; PIN_NUMBER "28" at 11349.49,8585.77 h25 r180; PIN_NUMBER "10" at 11310.12,8777.11 h25 r180; PIN_NUMBER "21" at 11194.76,8622.38 h25 r180; PIN_NUMBER "22" at 11231.37,8585.77 h25 r180; PIN_NUMBER "13" at 11251.06,8777.11 h25 r180; PIN_NUMBER "14" at 11231.37,8777.11 h25 r180; PIN_NUMBER "15" at 11194.76,8740.5 h25 r180; PIN_NUMBER "16" at 11194.76,8720.81 h25 r180; PIN_NUMBER "17" at 11194.76,8701.13 h25 r180; PIN_NUMBER "18" at 11194.76,8681.44 h25 r180; PIN_NUMBER "19" at 11194.76,8661.75 h25 r180; PIN_NUMBER "20" at 11194.76,8642.07 h25 r180; PIN_NUMBER "2" at 11396.1,8642.07 h25 r180; PIN_NUMBER "24" at 11270.74,8585.77 h25 r180; PIN_NUMBER "12" at 11270.74,8777.11 h25 r180; PIN_NUMBER "11" at 11290.43,8777.11 h25 r180; PIN_NUMBER "3" at 11396.1,8661.75 h25 r180; PIN_NUMBER "5" at 11396.1,8701.13 h25 r180; PIN_NUMBER "4" at 11396.1,8681.44 h25 r180; PIN_NUMBER "30" at 11374.43,8597.44 h25 r180; PIN_NUMBER "29" at 11290.43,8681.44 h25 r180; PIN_NUMBER "25" at 11290.43,8585.77 h25 r180; PIN_NUMBER "26" at 11310.12,8585.77 h25 r180; PIN_NUMBER "6" at 11396.1,8720.81 h25 r180; PIN_NUMBER "9" at 11339.8,8777.11 h25 r180; PIN_NUMBER "8" at 11359.49,8777.11 h25 r180; PIN_NUMBER "7" at 11396.1,8740.5 h25 r180
U4: PIN_NUMBER "2" at 11074.53,8612.46 h25 r180; PIN_NUMBER "3" at 11054.85,8612.46 h25 r180; PIN_NUMBER "7" at 11074.53,8501.24 h25 r180; PIN_NUMBER "5" at 11035.16,8501.24 h25 r180; PIN_NUMBER "4" at 11035.16,8612.46 h25 r180; PIN_NUMBER "1" at 11094.22,8612.46 h25 r180; PIN_NUMBER "8" at 11094.22,8501.24 h25 r180; PIN_NUMBER "6" at 11054.85,8501.24 h25 r180; DIMENSION "19.69" at 11209.69,8709.35 h25 r180; DIMENSION "0.5" at 11053.69,8709.35 h25 r180; DIMENSION "111.22" at 11026.69,8564.35 h25 r180; DIMENSION "2.82" at 10848.69,8564.35 h25 r180; DIMENSION "59.06" at 11194.69,8429.35 h25 r180; DIMENSION "1.5" at 11038.69,8429.35 h25 r180
U5: PIN_NUMBER "13" at 10427.66,6375.61 h25 r270; PIN_NUMBER "12" at 10398.13,6405.14 h25 r270; PIN_NUMBER "14" at 10447.34,6375.61 h25 r270; PIN_NUMBER "15" at 10467.03,6375.61 h25 r270; PIN_NUMBER "8" at 10408.13,6483.88 h25 r270; PIN_NUMBER "10" at 10398.13,6444.51 h25 r270; PIN_NUMBER "25" at 10476.87,6454.35 h25 r270; PIN_NUMBER "11" at 10398.13,6424.82 h25 r270; PIN_NUMBER "2" at 10516.4,6533.09 h25 r270; PIN_NUMBER "9" at 10408.13,6464.19 h25 r270; PIN_NUMBER "4" at 10477.03,6533.09 h25 r270; PIN_NUMBER "21" at 10555.61,6444.51 h25 r270; PIN_NUMBER "17" at 10506.4,6375.61 h25 r270; PIN_NUMBER "6" at 10437.66,6533.09 h25 r270; PIN_NUMBER "7" at 10408.13,6503.56 h25 r270; PIN_NUMBER "23" at 10555.61,6483.88 h25 r270; PIN_NUMBER "22" at 10555.61,6464.19 h25 r270; PIN_NUMBER "20" at 10555.61,6424.82 h25 r270; PIN_NUMBER "19" at 10555.61,6405.14 h25 r270; PIN_NUMBER "24" at 10555.61,6503.56 h25 r270; PIN_NUMBER "18" at 10526.08,6375.61 h25 r270; PIN_NUMBER "16" at 10486.71,6375.61 h25 r270; PIN_NUMBER "5" at 10457.34,6533.09 h25 r270; PIN_NUMBER "3" at 10496.71,6533.09 h25 r270; PIN_NUMBER "1" at 10536.08,6533.09 h25 r270
U6: PIN_NUMBER "41" at 11063.12,8105.96 h0.01 r180; PIN_NUMBER "10" at 11161.55,8176.83 h0.01 r270; PIN_NUMBER "9" at 11161.56,8161.08 h0.01 r270; PIN_NUMBER "7" at 11161.56,8129.59 h0.01 r270; PIN_NUMBER "6" at 11161.56,8113.84 h0.01 r270; PIN_NUMBER "5" at 11161.56,8098.09 h0.01 r270; PIN_NUMBER "4" at 11161.56,8082.34 h0.01 r270; PIN_NUMBER "2" at 11161.56,8050.85 h0.01 r270; PIN_NUMBER "1" at 11161.56,8035.1 h0.01 r270; PIN_NUMBER "20" at 10992.26,8204.39 h0.01 r180; PIN_NUMBER "13" at 11102.49,8204.39 h0.01 r180; PIN_NUMBER "14" at 11086.75,8204.39 h0.01 r180; PIN_NUMBER "29" at 10964.7,8050.85 h0.01 r270; PIN_NUMBER "18" at 11023.75,8204.39 h0.01 r180; PIN_NUMBER "17" at 11039.5,8204.39 h0.01 r180; PIN_NUMBER "16" at 11055.25,8204.39 h0.01 r180; PIN_NUMBER "15" at 11071,8204.39 h0.01 r180; PIN_NUMBER "19" at 11008.01,8204.39 h0.01 r180; PIN_NUMBER "35" at 11055.25,8007.54 h0.01 r180; PIN_NUMBER "33" at 11023.75,8007.54 h0.01 r180; PIN_NUMBER "27" at 10964.7,8082.34 h0.01 r270; PIN_NUMBER "34" at 11039.5,8007.54 h0.01 r180; PIN_NUMBER "32" at 11008.01,8007.54 h0.01 r180; PIN_NUMBER "12" at 11118.24,8204.39 h0.01 r180; PIN_NUMBER "11" at 11133.99,8204.39 h0.01 r180; PIN_NUMBER "40" at 11133.99,8007.54 h0.01 r180; PIN_NUMBER "36" at 11071,8007.54 h0.01 r180; PIN_NUMBER "28" at 10964.7,8066.59 h0.01 r270; PIN_NUMBER "25" at 10964.7,8113.84 h0.01 r270; PIN_NUMBER "31" at 10992.26,8007.54 h0.01 r180; PIN_NUMBER "37" at 11086.75,8007.54 h0.01 r180; PIN_NUMBER "24" at 10964.7,8129.59 h0.01 r270; PIN_NUMBER "26" at 10964.7,8098.09 h0.01 r270; PIN_NUMBER "30" at 10964.7,8035.1 h0.01 r270; PIN_NUMBER "22" at 10964.7,8161.08 h0.01 r270; PIN_NUMBER "3" at 11161.56,8066.59 h0.01 r270; PIN_NUMBER "8" at 11161.56,8145.33 h0.01 r270; PIN_NUMBER "38" at 11102.49,8007.54 h0.01 r180; PIN_NUMBER "21" at 10964.7,8176.83 h0.01 r270; PIN_NUMBER "39" at 11118.24,8007.54 h0.01 r180; PIN_NUMBER "23" at 10964.7,8145.33 h0.01 r270
U7: PIN_NUMBER "12" at 10627.58,7250.78 h25; PIN_NUMBER "16" at 10706.32,7250.78 h25; PIN_NUMBER "15" at 10686.63,7250.78 h25; PIN_NUMBER "33" at 10637.42,7341.33 h25; PIN_NUMBER "13" at 10647.26,7250.78 h25; PIN_NUMBER "5" at 10556.87,7331.49 h25; PIN_NUMBER "21" at 10727.97,7351.17 h25; PIN_NUMBER "4" at 10556.87,7351.17 h25; PIN_NUMBER "2" at 10556.87,7390.54 h25; PIN_NUMBER "10" at 10588.21,7250.78 h25; PIN_NUMBER "31" at 10588.21,7431.88 h25; PIN_NUMBER "6" at 10556.87,7311.8 h25; PIN_NUMBER "29" at 10627.58,7431.88 h25; PIN_NUMBER "18" at 10727.97,7292.12 h25; PIN_NUMBER "19" at 10727.97,7311.8 h25; PIN_NUMBER "25" at 10706.32,7431.88 h25; PIN_NUMBER "22" at 10727.97,7370.86 h25; PIN_NUMBER "20" at 10727.97,7331.49 h25; PIN_NUMBER "17" at 10727.97,7272.43 h25; PIN_NUMBER "23" at 10727.97,7390.54 h25; PIN_NUMBER "26" at 10686.63,7431.88 h25; PIN_NUMBER "24" at 10727.97,7410.23 h25; PIN_NUMBER "7" at 10556.87,7292.12 h25; PIN_NUMBER "1" at 10556.87,7410.23 h25; PIN_NUMBER "28" at 10647.26,7431.88 h25; PIN_NUMBER "32" at 10568.52,7431.88 h25; PIN_NUMBER "30" at 10607.89,7431.88 h25; PIN_NUMBER "11" at 10607.89,7250.78 h25; PIN_NUMBER "8" at 10556.87,7272.43 h25; PIN_NUMBER "14" at 10666.95,7250.78 h25; PIN_NUMBER "3" at 10556.87,7370.86 h25; PIN_NUMBER "9" at 10578.52,7250.78 h25; PIN_NUMBER "27" at 10666.95,7431.88 h25; DIMENSION "4.6" at 10416.05,7515.15 h25; DIMENSION "181.10" at 10240.05,7515.15 h25; DIMENSION "3.5" at 10991.68,7334.62 h25; DIMENSION "137.80" at 10815.68,7334.62 h25; DIMENSION "0.5" at 10478.78,7451.29 h25; DIMENSION "19.69" at 10324.78,7451.29 h25
U8: PIN_NUMBER "2" at 10996.18,7428.26 h25; PIN_NUMBER "4" at 11033.58,7526.68 h25; PIN_NUMBER "1" at 10958.78,7428.26 h25; PIN_NUMBER "5" at 10958.78,7526.68 h25; PIN_NUMBER "3" at 11033.58,7428.26 h25
U9: PIN_NUMBER "15" at 7391.43,6425.42 h25 r270; PIN_NUMBER "17" at 7352.06,6425.42 h25 r270; PIN_NUMBER "19" at 7312.69,6425.42 h25 r270; PIN_NUMBER "21" at 7273.32,6425.42 h25 r270; PIN_NUMBER "23" at 7233.95,6425.42 h25 r270; PIN_NUMBER "16" at 7371.75,6425.42 h25 r270; PIN_NUMBER "18" at 7332.38,6425.42 h25 r270; PIN_NUMBER "20" at 7293.01,6425.42 h25 r270; PIN_NUMBER "22" at 7253.64,6425.42 h25 r270; PIN_NUMBER "100" at 7735.76,6346.68 h25 r270; PIN_NUMBER "98" at 7745.76,6307.31 h25 r270; PIN_NUMBER "97" at 7745.76,6287.62 h25 r270; PIN_NUMBER "96" at 7745.76,6267.94 h25 r270; PIN_NUMBER "95" at 7745.76,6248.25 h25 r270; PIN_NUMBER "87" at 7745.76,6090.77 h25 r270; PIN_NUMBER "83" at 7745.76,6012.03 h25 r270; PIN_NUMBER "82" at 7745.76,5992.35 h25 r270; PIN_NUMBER "81" at 7745.76,5972.66 h25 r270; PIN_NUMBER "80" at 7745.76,5952.98 h25 r270; PIN_NUMBER "70" at 7568.6,5795.5 h25 r270; PIN_NUMBER "69" at 7548.91,5795.5 h25 r270; PIN_NUMBER "68" at 7529.23,5795.5 h25 r270; PIN_NUMBER "67" at 7509.54,5795.5 h25 r270; PIN_NUMBER "65" at 7470.17,5795.5 h25 r270; PIN_NUMBER "54" at 7253.64,5795.5 h25 r270; PIN_NUMBER "43" at 7115.84,6012.03 h25 r270; PIN_NUMBER "41" at 7115.84,6051.4 h25 r270; PIN_NUMBER "35" at 7115.84,6169.51 h25 r270; PIN_NUMBER "29" at 7115.84,6287.62 h25 r270; PIN_NUMBER "26" at 7115.84,6346.68 h25 r270; PIN_NUMBER "13" at 7430.8,6425.42 h25 r270; PIN_NUMBER "30" at 7115.84,6267.94 h25 r270; PIN_NUMBER "60" at 7371.75,5795.5 h25 r270; PIN_NUMBER "91" at 7745.76,6169.51 h25 r270; PIN_NUMBER "3" at 7637.65,6425.42 h25 r270; PIN_NUMBER "88" at 7745.76,6110.46 h25 r270; PIN_NUMBER "62" at 7411.12,5795.5 h25 r270; PIN_NUMBER "1" at 7677.02,6425.42 h25 r270; PIN_NUMBER "99" at 7745.76,6326.99 h25 r270; PIN_NUMBER "76" at 7745.76,5874.24 h25 r270; PIN_NUMBER "64" at 7450.48,5795.5 h25 r270; PIN_NUMBER "55" at 7273.32,5795.5 h25 r270; PIN_NUMBER "12" at 7450.49,6425.42 h25 r270; PIN_NUMBER "93" at 7745.76,6208.88 h25 r270; PIN_NUMBER "85" at 7745.76,6051.4 h25 r270; PIN_NUMBER "39" at 7115.84,6090.78 h25 r270; PIN_NUMBER "89" at 7745.76,6130.14 h25 r270; PIN_NUMBER "66" at 7489.86,5795.5 h25 r270; PIN_NUMBER "53" at 7233.95,5795.5 h25 r270; PIN_NUMBER "14" at 7411.12,6425.42 h25 r270; PIN_NUMBER "33" at 7115.84,6208.88 h25 r270; PIN_NUMBER "37" at 7115.84,6130.14 h25 r270; PIN_NUMBER "79" at 7745.76,5933.29 h25 r270; PIN_NUMBER "75" at 7667.02,5795.5 h25 r270; PIN_NUMBER "36" at 7115.84,6149.83 h25 r270; PIN_NUMBER "61" at 7391.43,5795.5 h25 r270; PIN_NUMBER "40" at 7115.84,6071.09 h25 r270; PIN_NUMBER "57" at 7312.69,5795.5 h25 r270; PIN_NUMBER "92" at 7745.76,6189.2 h25 r270; PIN_NUMBER "25" at 7194.58,6425.42 h25 r270; PIN_NUMBER "42" at 7115.84,6031.72 h25 r270; PIN_NUMBER "38" at 7115.84,6110.46 h25 r270; PIN_NUMBER "32" at 7115.84,6228.57 h25 r270; PIN_NUMBER "28" at 7115.84,6307.31 h25 r270; PIN_NUMBER "73" at 7627.65,5795.5 h25 r270; PIN_NUMBER "72" at 7607.97,5795.5 h25 r270; PIN_NUMBER "34" at 7115.84,6189.2 h25 r270; PIN_NUMBER "94" at 7745.76,6228.57 h25 r270; PIN_NUMBER "63" at 7430.8,5795.5 h25 r270; PIN_NUMBER "58" at 7332.38,5795.5 h25 r270; PIN_NUMBER "2" at 7657.34,6425.42 h25 r270; PIN_NUMBER "56" at 7293.01,5795.5 h25 r270; PIN_NUMBER "59" at 7352.06,5795.5 h25 r270; PIN_NUMBER "31" at 7115.84,6248.25 h25 r270; PIN_NUMBER "86" at 7745.76,6071.09 h25 r270; PIN_NUMBER "90" at 7745.76,6149.83 h25 r270; PIN_NUMBER "74" at 7647.34,5795.5 h25 r270; PIN_NUMBER "84" at 7745.76,6031.72 h25 r270; PIN_NUMBER "77" at 7745.76,5893.92 h25 r270; PIN_NUMBER "71" at 7588.28,5795.5 h25 r270; PIN_NUMBER "78" at 7745.76,5913.61 h25 r270; PIN_NUMBER "48" at 7115.84,5913.61 h25 r270; PIN_NUMBER "49" at 7115.84,5893.92 h25 r270; PIN_NUMBER "4" at 7617.97,6425.42 h25 r270; PIN_NUMBER "6" at 7578.6,6425.42 h25 r270; PIN_NUMBER "7" at 7558.91,6425.42 h25 r270; PIN_NUMBER "8" at 7539.23,6425.42 h25 r270; PIN_NUMBER "9" at 7519.54,6425.42 h25 r270; PIN_NUMBER "10" at 7489.86,6425.42 h25 r270; PIN_NUMBER "11" at 7470.17,6425.42 h25 r270; PIN_NUMBER "5" at 7598.28,6425.42 h25 r270; PIN_NUMBER "45" at 7115.84,5972.66 h25 r270; PIN_NUMBER "52" at 7214.27,5795.5 h25 r270; PIN_NUMBER "27" at 7115.84,6326.99 h25 r270; PIN_NUMBER "51" at 7194.58,5795.5 h25 r270; PIN_NUMBER "50" at 7115.84,5874.24 h25 r270; PIN_NUMBER "47" at 7115.84,5933.29 h25 r270; PIN_NUMBER "44" at 7115.84,5992.35 h25 r270; PIN_NUMBER "46" at 7115.84,5952.98 h25 r270; PIN_NUMBER "24" at 7214.27,6425.42 h25 r270
U10: PIN_NUMBER "41" at 7289.95,6993.73 h0.01; PIN_NUMBER "10" at 7191.52,6922.86 h0.01 r90; PIN_NUMBER "9" at 7191.53,6938.61 h0.01 r90; PIN_NUMBER "7" at 7191.53,6970.1 h0.01 r90; PIN_NUMBER "6" at 7191.53,6985.85 h0.01 r90; PIN_NUMBER "5" at 7191.53,7001.6 h0.01 r90; PIN_NUMBER "4" at 7191.53,7017.35 h0.01 r90; PIN_NUMBER "2" at 7191.53,7048.84 h0.01 r90; PIN_NUMBER "1" at 7191.53,7064.59 h0.01 r90; PIN_NUMBER "29" at 7388.37,7048.84 h0.01 r90; PIN_NUMBER "20" at 7360.81,6895.3 h0.01; PIN_NUMBER "19" at 7345.06,6895.3 h0.01; PIN_NUMBER "15" at 7282.07,6895.3 h0.01; PIN_NUMBER "16" at 7297.82,6895.3 h0.01; PIN_NUMBER "17" at 7313.57,6895.3 h0.01; PIN_NUMBER "18" at 7329.32,6895.3 h0.01; PIN_NUMBER "13" at 7250.58,6895.3 h0.01; PIN_NUMBER "14" at 7266.32,6895.3 h0.01; PIN_NUMBER "12" at 7234.83,6895.3 h0.01; PIN_NUMBER "35" at 7297.82,7092.15 h0.01; PIN_NUMBER "40" at 7219.08,7092.15 h0.01; PIN_NUMBER "11" at 7219.08,6895.3 h0.01; PIN_NUMBER "32" at 7345.06,7092.15 h0.01; PIN_NUMBER "33" at 7329.32,7092.15 h0.01; PIN_NUMBER "21" at 7388.37,6922.86 h0.01 r90; PIN_NUMBER "22" at 7388.37,6938.61 h0.01 r90; PIN_NUMBER "23" at 7388.37,6954.36 h0.01 r90; PIN_NUMBER "39" at 7234.83,7092.15 h0.01; PIN_NUMBER "27" at 7388.37,7017.35 h0.01 r90; PIN_NUMBER "26" at 7388.37,7001.6 h0.01 r90; PIN_NUMBER "36" at 7282.07,7092.15 h0.01; PIN_NUMBER "34" at 7313.57,7092.15 h0.01; PIN_NUMBER "38" at 7250.58,7092.15 h0.01; PIN_NUMBER "3" at 7191.53,7033.1 h0.01 r90; PIN_NUMBER "8" at 7191.53,6954.36 h0.01 r90; PIN_NUMBER "25" at 7388.37,6985.85 h0.01 r90; PIN_NUMBER "24" at 7388.37,6970.1 h0.01 r90; PIN_NUMBER "37" at 7266.32,7092.15 h0.01; PIN_NUMBER "28" at 7388.37,7033.1 h0.01 r90; PIN_NUMBER "30" at 7388.37,7064.59 h0.01 r90; PIN_NUMBER "31" at 7360.81,7092.15 h0.01